# Altium PCB KAY1024_ATX.PcbDoc (part 3 of 4) (continued)
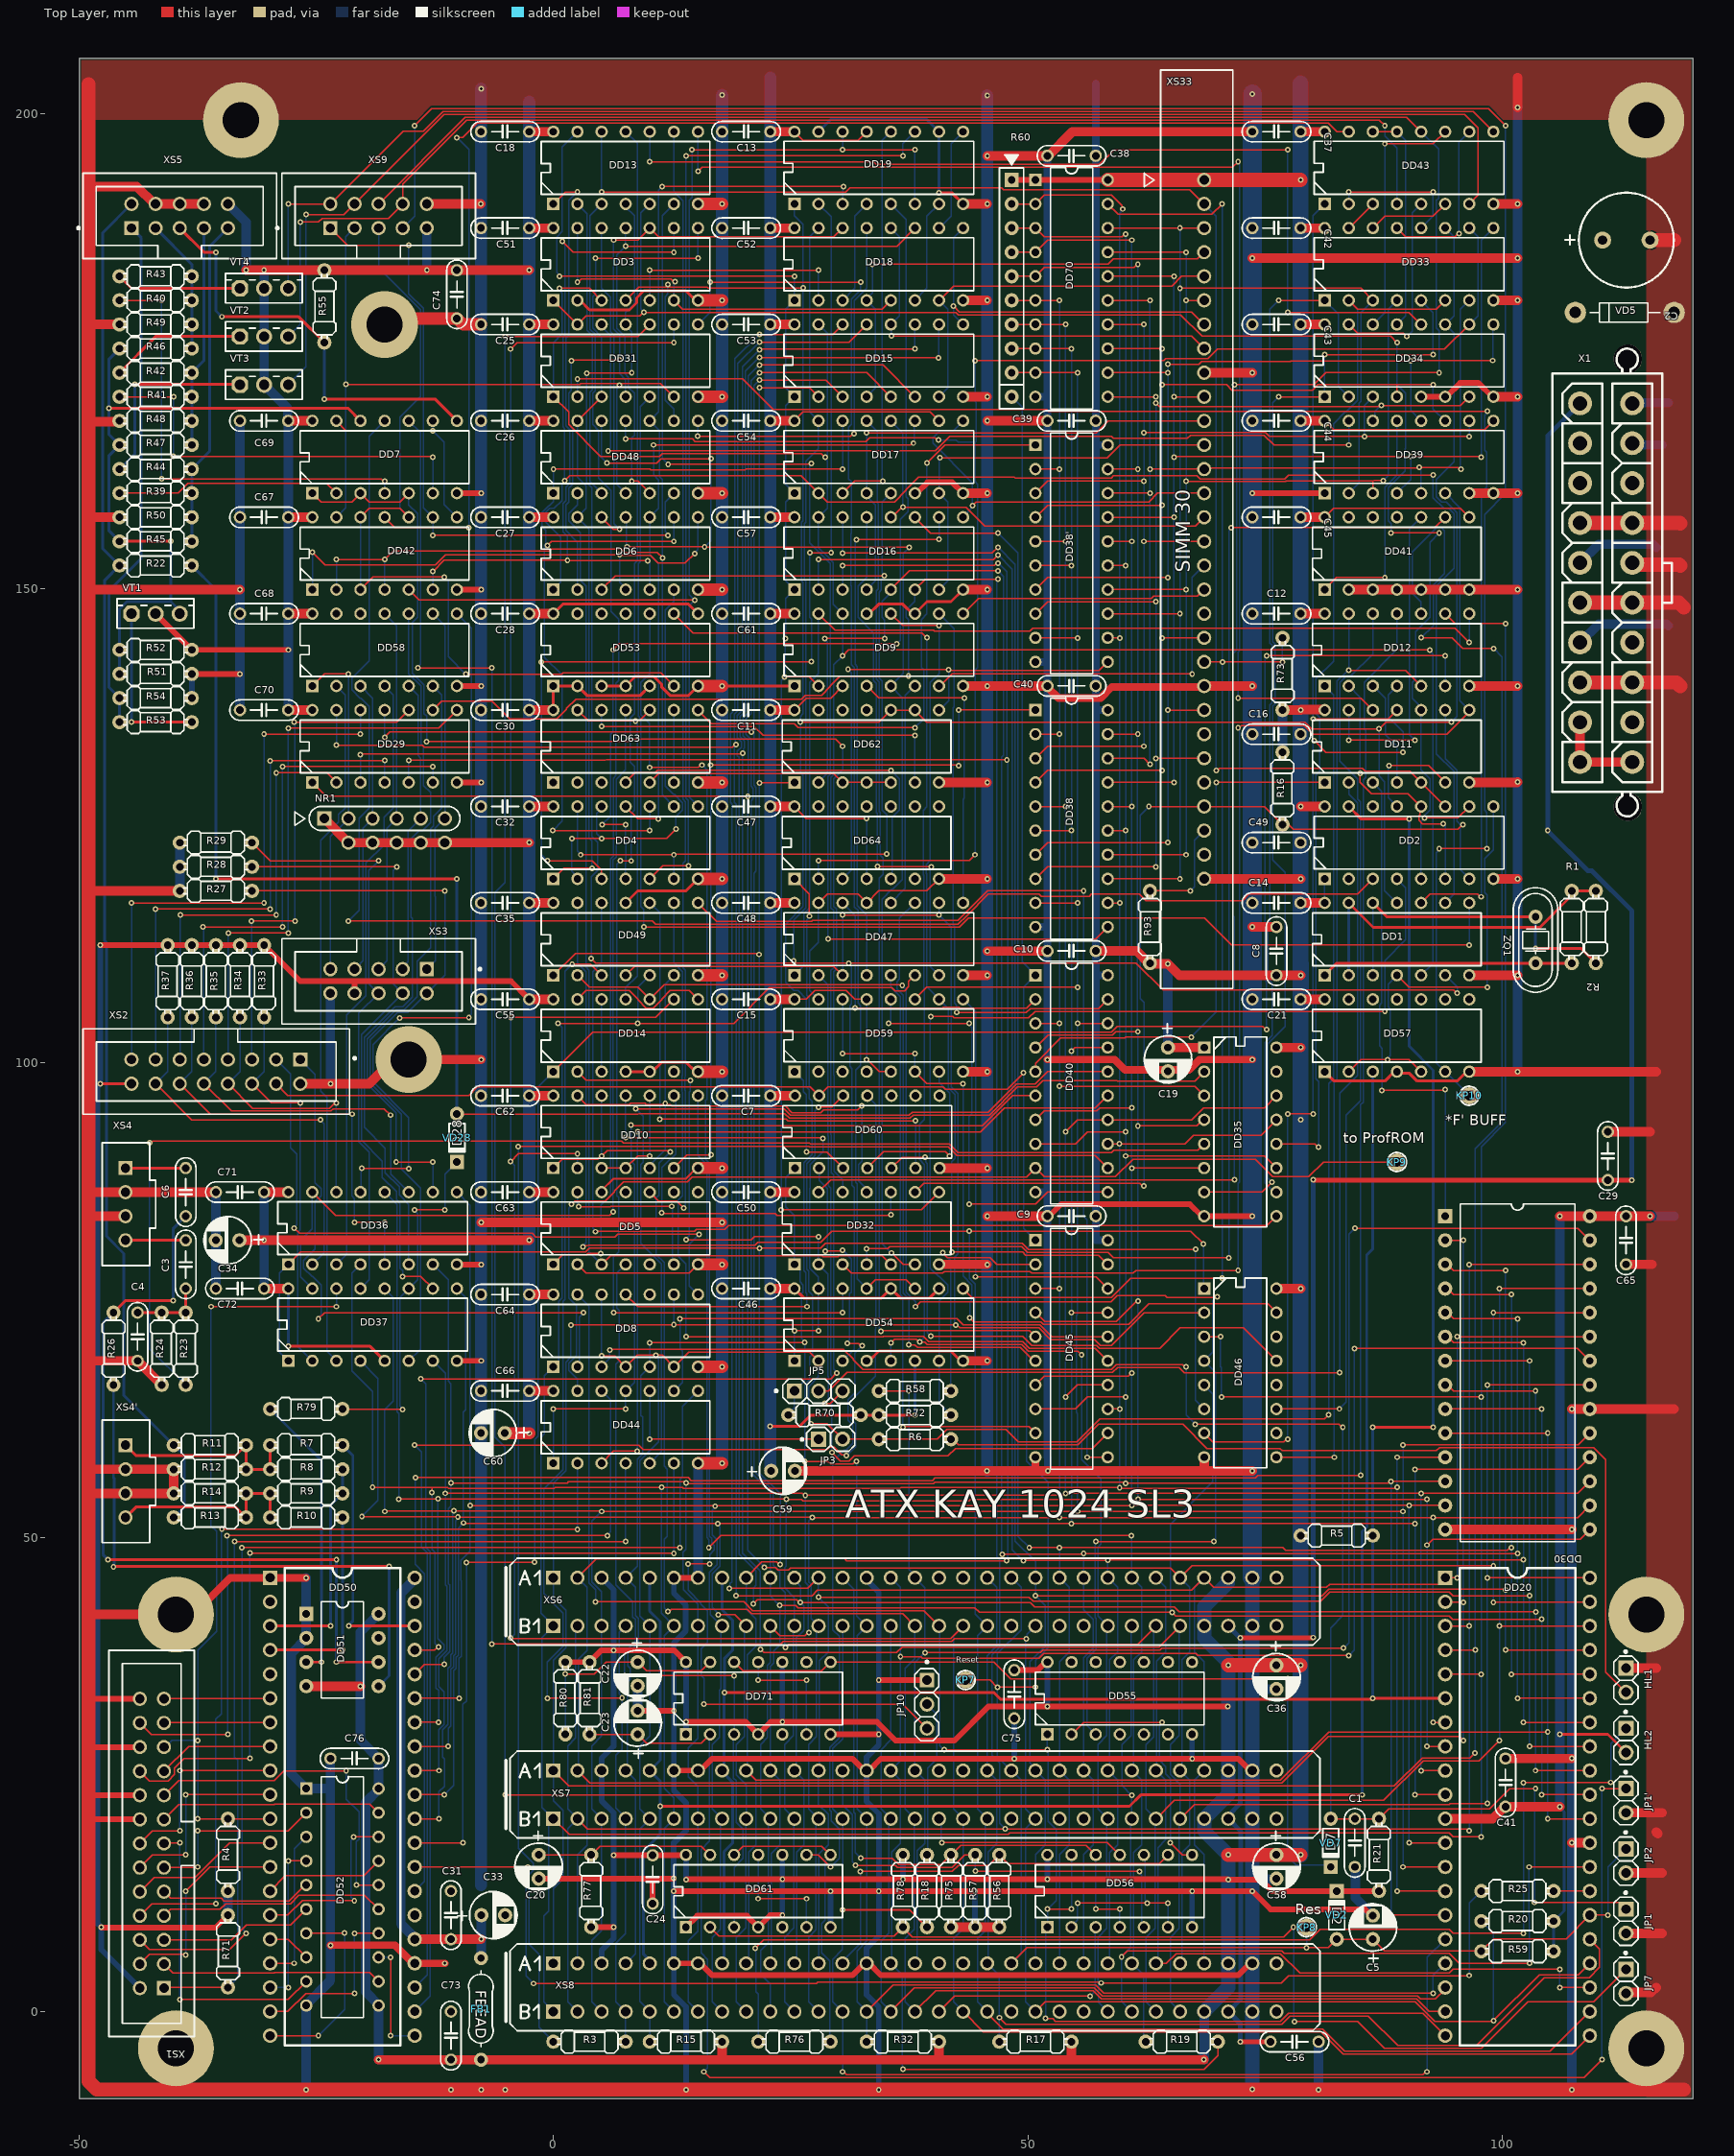
[diagram p0: Top Layer view]
## Nets (pads, with @x,y where several pads share a name; then routed paths per layer and width w, separated by ;. In a path a pad name is that pad's centre, name@x,y a point inside that pad or via, vN(x,y) a via of type N, cw(c..) or ccw(c..) an arc to the next point about the centre after c; other vN are vias at no path point) (continued)
  Bottom Layer w0.15: v1(2.54,182.245) DD3.13@2.54,187.96 ; DD3.6@12.7,180.34 12.7,182.067 12.808,182.175 v1(12.808,182.297)
H5: DD3.11 DD18.11 DD48.5 | length 61.6
  Top Layer w0.15: v1(7.62,186.055) 36.195,186.055 DD18.11@38.1,187.96 ; v1(8.255,161.29) 8.89,161.29 DD48.5@10.16,160.02
  Bottom Layer w0.15: DD3.11@7.62,187.96 v1(7.62,186.055) 6.695,185.13 6.695,177.392 7.542,176.546 7.542,172.62 7.92,172.242 7.92,171.188 8.545,170.563 8.545,166.132 8.255,165.842 v1(8.255,161.29)
H6: DD3.10 DD6.2 DD18.14 DD31.4 | length 72.8
  Top Layer w0.15: v1(1.905,173.99) 1.95,174.035 6.921,174.035 v1(6.967,174.08) ; v1(6.35,186.69) 8.89,186.69 DD3.10@10.16,187.96 11.085,187.035 29.555,187.035 DD18.14@30.48,187.96
  Bottom Layer w0.15: v1(1.905,173.99) 1.905,170.853 1.615,170.563 1.615,167.257 2.053,166.819 2.053,160.966 1.615,160.528 1.615,159.098 1.315,158.798 1.315,156.078 2.54,154.853 DD6.2@2.54,149.86 ; v1(6.35,186.69) 6.35,177.313 6.967,176.696 6.967,174.135 v1@6.912,174.08 ; v1(6.967,174.08) 6.967,172.622 7.62,171.969 DD31.4@7.62,170.18
H7: DD1.9 DD3.9 DD6.1 DD17.2 | length 196.6
  Top Layer w0.15: v1(0.928,186.583) 2.091,185.42 v1(12.7,185.42) ; v1(1.178,161.328) 1.715,161.865 26.095,161.865 DD17.2@27.94,160.02 28.865,159.095 35.943,159.095 37.175,160.327 37.175,160.403 38.467,161.695 48.605,161.695 48.665,161.635 58.803,161.635 59.033,161.865 67.825,161.865 68.155,161.535 77.058,161.535 77.448,161.925 v1(92.71,161.925)
  Bottom Layer w0.15: DD6.1@0,149.86 0.787,150.647 0.787,155.385 -0.925,157.097 -0.925,157.863 -0.383,158.405 0.074,158.405 0.925,159.256 0.925,160.953 1.178,161.206 v1(1.178,161.328) ; v1(0.928,186.583) 0.928,186.461 1.225,186.165 1.225,176.691 1.015,176.481 1.015,167.008 1.178,166.845 1.178,161.382 v1@1.232,161.328 ; v1(12.7,185.42) DD3.9@12.7,187.96 ; v1(92.71,161.925) 92.71,159.558 93.863,158.405 94.363,158.405 94.905,157.863 94.905,157.097 94.905,152.093 93.055,150.243 93.055,132.557 94.905,130.707 94.905,117.765 DD1.9@93.98,116.84
H7/: DD1.8 DD31.5 | length 149.6
  Top Layer w0.15: v1(9.525,114.335) 9.585,114.275 42.772,114.275 43.722,115.225 68.645,115.225 71.475,112.395 v1(96.52,112.395)
  Bottom Layer w0.15: v1(9.525,114.335) 9.525,116.167 9.235,116.457 9.235,136.245 8.935,136.545 8.935,152.594 9.145,152.804 9.145,169.165 DD31.5@10.16,170.18 ; v1(96.52,112.395) DD1.8@96.52,116.84
I0: DD50.13 XS1.4 | length 22
  Top Layer w0.15: XS1.4@-43.576,5.016 -42.551,6.041 -38.82,6.041 v1(-38.735,5.956) ; v1(-38.735,12.7) -36.195,15.24 DD50.13@-29.845,15.24
  Bottom Layer w0.15: v1(-38.735,5.956) v1(-38.735,12.7)
I1: DD50.12 XS1.10 | length 15.9
  Top Layer w0.15: XS1.10@-43.576,12.636 -42.061,14.151 -37.741,14.151 -34.112,17.78 DD50.12@-29.845,17.78
I3: DD50.10 XS1.12 | length 20.6
  Top Layer w0.15: XS1.12@-43.576,15.176 -42.242,16.51 v1(-38.735,16.51) ; v1(-38.735,22.86) DD50.10@-29.845,22.86
  Bottom Layer w0.15: v1(-38.735,16.51) v1(-38.735,22.86)
I4: DD50.9 XS1.14 | length 20.6
  Top Layer w0.15: XS1.14@-43.576,17.716 -42.242,19.05 v1(-39.37,19.05) ; v1(-39.37,25.4) DD50.9@-29.845,25.4
  Bottom Layer w0.15: v1(-39.37,19.05) v1(-39.37,25.4)
I5: DD50.8 XS1.19 | length 12.3
  Top Layer w0.15: XS1.19@-41.036,25.336 -38.432,27.94 DD50.8@-29.845,27.94
I6: DD50.7 XS1.23 | length 11.2
  Top Layer w0.15: XS1.23@-41.036,30.416 -41.004,30.448 -29.877,30.448 DD50.7@-29.845,30.48
I7: DD50.6 XS1.25 | length 11.2
  Top Layer w0.15: XS1.25@-41.036,32.956 -41.004,32.988 -29.877,32.988 DD50.6@-29.845,33.02
IORD1/: DD14.11 DD63.10 DD63.13 | length 38.5
  Top Layer w0.15: DD63.13@2.54,137.16 3.691,136.009 v1(8.658,136.009) 8.744,136.095 9.095,136.095 DD63.10@10.16,137.16
  Bottom Layer w0.15: DD14.11@7.62,106.68 7.62,107.912 8.845,109.137 8.845,135.7 8.658,135.887 v1(8.658,136.009)
IORD2/: DD36.15 DD37.15 DD63.11 | length 97.5
  Top Layer w0.15: DD36.15@-25.4,86.36 -22.961,83.921 5.912,83.921 6.276,84.285 v1(6.29,84.285)
  Bottom Layer w0.15: DD37.15@-25.4,76.2 -26.625,77.425 -26.625,81.28 -25.4,82.505 DD36.15@-25.4,86.36 ; v1(6.29,84.285) 6.305,84.3 6.305,121.345 6.617,121.657 6.617,129.845 7.62,130.848 DD63.11@7.62,137.16
IOWR1: DD35.9 DD49.12 | length 107.6
  Top Layer w0.15: v1(4.445,82.185) 4.485,82.225 14.863,82.225 15.098,82.46 18.08,82.46 18.444,82.824 75.204,82.824 DD35.9@76.2,83.82
  Bottom Layer w0.15: v1(4.445,82.185) 4.445,82.307 4.155,82.597 4.155,109.603 5.08,110.528 DD49.12@5.08,116.84
J5: DD37.6 R27.2 XS3.2 | length 76.4
  Top Layer w0.15: R27.2@-31.75,118.11 v1(-11.43,118.11)
  Bottom Layer w0.15: DD37.6@-15.24,68.58 -14.015,69.805 -14.015,86.803 -15.995,88.783 -15.995,94.558 -19.315,97.878 -19.315,102.407 -16.438,105.284 -15.366,105.284 XS3.2@-13.335,107.315 -11.43,109.22 v1(-11.43,118.11)
J6: DD37.10 R28.2 XS3.4 | length 66.3
  Top Layer w0.15: R28.2@-31.75,120.65 v1(-16.51,120.65) ; v1(-15.875,77.47) -13.97,77.47 DD37.10@-12.7,76.2
  Bottom Layer w0.15: v1(-16.51,120.65) -16.9,120.26 -16.9,108.34 XS3.4@-15.875,107.315 -20.215,102.975 -20.215,91.827 -18.015,89.627 -18.015,87.903 -16.544,86.432 -16.544,85.548 -16.165,85.169 -16.165,78.357 -15.875,78.067 v1(-15.875,77.47)
J7: DD37.13 R29.2 XS3.6 | length 61.8
  Top Layer w0.15: R29.2@-31.75,123.19 -29.845,121.285 v1(-18.415,121.285)
  Bottom Layer w0.15: DD37.13@-20.32,76.2 -19.395,77.125 -19.395,90.583 -20.515,91.703 -20.515,105.215 XS3.6@-18.415,107.315 -19.44,108.34 -19.44,120.26 v1(-18.415,121.285)
K: DD5.1 DD13.3 | length 118.8
  Top Layer w0.15: DD5.1@0,78.74 0.995,79.735 3.499,79.735 3.661,79.897 v1(5.009,79.897)
  Bottom Layer w0.15: v1(5.009,79.897) 5.02,79.908 5.02,84.992 6.005,85.977 6.005,121.469 6.317,121.781 6.317,129.97 6.59,130.242 6.59,139.978 6.865,140.253 6.865,146.767 6.092,147.54 6.092,160.317 4.78,161.628 4.78,166.632 4.155,167.257 4.155,170.563 4.39,170.798 4.39,176.757 3.855,177.293 3.855,189.275 DD13.3@5.08,190.5
K10: DD36.2 R37.1 XS2.14 | length 42.4
  Top Layer w0.15: XS2.14@-41.91,97.79 -38.1,93.98 v1(-24.52,93.98)
  Bottom Layer w0.15: XS2.14@-41.91,97.79 -40.64,99.06 R37.1@-40.64,104.775 ; DD36.2@-25.4,78.74 -24.175,79.965 -24.175,93.583 -24.52,93.928 v1(-24.52,93.98)
K29: DD36.5 R36.1 XS2.12 | length 46.1
  Top Layer w0.15: XS2.12@-39.37,97.79 -36.151,94.571 v1(-21.217,94.571) ; v1(-20.955,83.185) v1(-17.78,83.185)
  Bottom Layer w0.15: XS2.12@-39.37,97.79 -38.1,99.06 R36.1@-38.1,104.775 ; v1(-21.217,94.571) -21.245,94.544 -21.245,85.977 -20.955,85.687 v1(-20.955,83.185) ; DD36.5@-17.78,78.74 v1(-17.78,83.185)
K38: DD36.11 R35.1 XS2.10 | length 37.7
  Top Layer w0.15: XS2.10@-36.83,97.79 -33.939,94.899 -23.461,94.899 -23.214,95.146 -17.821,95.146 v1(-17.145,94.471)
  Bottom Layer w0.15: XS2.10@-36.83,97.79 -35.56,99.06 R35.1@-35.56,104.775 ; v1(-17.145,94.471) -17.145,88.265 DD36.11@-15.24,86.36
K47: DD36.14 R34.1 XS2.8 | length 29.6
  Top Layer w0.15: XS2.8@-34.29,97.79 -31.699,95.199 -26.908,95.199 -23.586,95.199 -23.011,95.774 v1(-22.889,95.774)
  Bottom Layer w0.15: XS2.8@-34.29,97.79 -33.02,99.06 R34.1@-33.02,104.775 ; v1(-22.889,95.774) -22.874,95.76 -22.874,86.374 DD36.14@-22.86,86.36
K56: DD37.2 R33.1 XS2.6 | length 41.4
  Top Layer w0.15: XS2.6@-31.75,97.79 -29.734,95.774 v1(-26.67,95.774)
  Bottom Layer w0.15: XS2.6@-31.75,97.79 -30.48,99.06 R33.1@-30.48,104.775 ; v1@-26.67,95.773 -26.67,82.372 -26.925,82.117 -26.925,70.105 DD37.2@-25.4,68.58
KBA11: DD29.12 XS2.15 | length 60.9
  Top Layer w0.15: v1(-44.45,116.84) v1(-30.48,116.84) ; v1(-30.48,134.62) v1(-20.347,134.62)
  Bottom Layer w0.15: XS2.15@-44.45,100.33 v1(-44.45,116.84) ; v1(-30.48,116.84) v1(-30.48,134.62) ; v1(-20.347,134.62) -20.334,134.634 -20.334,137.146 DD29.12@-20.32,137.16
KBA12: DD29.6 XS2.9 | length 56.8
  Top Layer w0.15: v1(-36.904,114.3) v1(-28.54,114.3) ; v1(-28.54,131.206) -28.537,131.21 -12.702,131.21 v1(-12.699,131.213)
  Bottom Layer w0.15: v1(-36.904,114.3) -36.867,114.263 -36.867,100.367 XS2.9@-36.83,100.33 ; v1(-28.54,114.3) v1(-28.54,131.206) ; DD29.6@-12.699,129.541 v1(-12.699,131.213)
KC/: DD42.3 DD42.10 DD42.12 DD53.6 XS9.5 | length 90.2
  Top Layer w0.15: DD42.3@-20.32,149.86 -18.992,151.188 v1(-11.489,151.188) ; DD42.12@-20.32,157.48 -19.395,158.405 -16.165,158.405 DD42.10@-15.24,157.48 ; v1(-9.227,140.937) 0.885,140.937 1.023,141.075 11.325,141.075 DD53.6@12.7,139.7
  Bottom Layer w0.15: DD42.3@-20.32,149.86 DD42.12@-20.32,157.48 ; XS9.5@-18.415,187.96 -18.415,183.774 -14.005,179.364 -14.005,170.183 -16.165,168.023 -16.165,158.405 DD42.10@-15.24,157.48 ; v1(-11.489,151.188) -11.085,150.785 -11.085,142.795 v1(-9.227,140.937)
L: DD36.6 DD58.10 | length 75.2
  Bottom Layer w0.15: DD36.6@-15.24,78.74 -15.24,85.052 -16.244,86.055 -16.244,86.939 -17.715,88.411 -17.715,90.991 -19.915,93.191 -19.915,102.655 -16.687,105.884 -15.857,105.884 -14.85,106.89 -14.85,115.18 -14.995,115.325 -14.995,123.615 -14.15,124.46 -13.79,124.46 -12.945,125.305 -12.945,128.477 -13.67,129.202 -13.67,133.342 -13.937,133.609 -13.937,139.705 -15.24,141.008 DD58.10@-15.24,147.32
LCLK: DD5.4 DD61.3 DD71.3 | length 84.1
  Top Layer w0.15: v1(7.512,35.386) 7.517,35.391 19.045,35.391 v1(19.05,35.396)
  Bottom Layer w0.15: v1(7.512,35.386) 7.512,37.863 8.645,38.997 8.645,41.307 8.345,41.607 8.345,43.197 6.595,44.947 6.595,68.228 6.925,68.558 6.925,73.898 6.695,74.128 6.695,77.815 DD5.4@7.62,78.74 ; DD61.3@19.05,8.89 19.05,15.202 19.975,16.127 19.975,19.215 19.255,19.935 19.255,24.349 18.995,24.609 18.995,29.155 DD71.3@19.05,29.21 v1(19.05,35.396)
LEFT: R9.1 R10.1 R13.2 R14.2 XS4'.4 | length 21.2
  Top Layer w0.3: XS4'.4@-45.085,52.07 -43.985,53.17 -33.485,53.17 R13.2@-32.385,52.07 R14.2@-32.385,54.61 R9.1@-29.845,54.61 R10.1@-29.845,52.07
MA0: DD15.4 DD18.4 XS33.4 | length 50.5
  Top Layer w0.15: v1(33.62,184.15) 58.458,184.15 59.033,184.725 67.885,184.725 XS33.4@68.58,185.42
  Bottom Layer w0.15: DD15.4@33.02,170.18 33.945,171.105 33.945,179.415 DD18.4@33.02,180.34 33.02,180.55 33.62,181.15 v1(33.62,184.15)
MA1: DD15.7 DD18.7 XS33.5 | length 39.9
  Top Layer w0.15: DD18.7@40.64,180.34 42.155,181.855 65.193,181.855 66.218,182.88 XS33.5@68.58,182.88
  Bottom Layer w0.15: DD15.7@40.64,170.18 41.565,171.105 41.565,179.415 DD18.7@40.64,180.34
MA2: DD15.9 DD18.9 XS33.7 | length 38.2
  Top Layer w0.15: v1(42.172,179.747) 42.798,179.121 67.259,179.121 XS33.7@68.58,177.8
  Bottom Layer w0.15: DD15.9@43.18,177.8 42.172,178.808 v1(42.172,179.747) 42.172,186.952 DD18.9@43.18,187.96
MA3: DD15.12 DD18.12 XS33.8 | length 45.7
  Top Layer w0.15: v1(35.611,176.599) 67.241,176.599 XS33.8@68.58,175.26
  Bottom Layer w0.15: DD18.12@35.56,187.96 36.485,187.035 36.485,178.725 DD15.12@35.56,177.8 35.585,177.775 35.585,176.624 v1(35.611,176.599)
MA4: DD16.4 DD17.4 XS33.11 | length 53.4
  Top Layer w0.15: v1(33.02,166.37) 57.185,166.37 58.455,167.64 XS33.11@68.58,167.64
  Bottom Layer w0.15: DD16.4@33.02,149.86 33.945,150.785 33.945,157.097 33.945,158.784 33.02,159.709 DD17.4@33.02,160.02 v1(33.02,166.37)
MA5: DD16.7 DD17.7 XS33.12 | length 43.1
  Top Layer w0.15: v1(40.729,163.741) 58.369,163.741 59.728,165.1 XS33.12@68.58,165.1
  Bottom Layer w0.15: DD16.7@40.64,149.86 41.565,150.785 41.565,159.095 DD17.7@40.64,160.02 40.685,160.065 40.685,163.696 v1(40.729,163.741)
MA6: DD16.9 DD17.9 XS33.14 | length 39.4
  Top Layer w0.15: v1(44.156,158.696) 44.555,159.095 62.753,159.095 63.678,160.02 XS33.14@68.58,160.02
  Bottom Layer w0.15: DD16.9@43.18,157.48 43.18,157.529 44.07,158.419 44.07,158.61 v1(44.156,158.696) ; DD17.9@43.18,167.64 42.183,166.643 40.768,166.643 39.991,165.866 39.991,165.292 44.156,161.127 44.156,158.782 v1@44.199,158.739
MA7: DD16.12 DD17.12 XS33.15 | length 44.3
  Top Layer w0.15: DD16.12@35.56,157.48 35.663,157.48 36.72,158.537 v1(36.823,158.537) ; v1@36.83,158.53 36.837,158.537 43.502,158.537 45.484,156.555 67.655,156.555 XS33.15@68.58,157.48
  Bottom Layer w0.15: DD17.12@35.56,167.64 36.823,166.377 v1(36.823,158.537)
MA8: DD9.7 XS33.17 | length 39.2
  Top Layer w0.15: DD9.7@40.64,139.7 40.756,139.7 42.026,140.97 v1(67.31,140.97)
  Bottom Layer w0.15: v1(67.31,140.97) 67.31,151.13 XS33.17@68.58,152.4
MA9: DD9.9 XS33.18 | length 26.5
  Top Layer w0.15: DD9.9@43.18,147.32 44.795,148.935 63.032,148.935 63.262,149.165 67.885,149.165 XS33.18@68.58,149.86
MD0: DD33.3 DD38'.13 DD38.13 DD39.2 DD70.18 XS33.3 | length 136.2
  Top Layer w0.15: DD38.13@58.42,119.38 v1(66.04,119.38) ; DD38'.13@58.42,147.32 v1(66.04,147.32) ; DD70.18@58.42,187.96 v1(66.04,187.96) XS33.3@68.58,187.96 ; v1(66.04,181.61) 85.09,181.61 DD33.3@86.36,180.34
  Bottom Layer w0.15: v1(66.04,119.38) v1(66.04,147.32) v1(66.04,181.61) v1(66.04,187.96) ; DD39.2@83.82,160.02 84.895,161.095 84.895,169.523 85.09,169.718 85.09,179.07 DD33.3@86.36,180.34
MD1: DD33.4 DD38'.14 DD38.14 DD39.3 DD70.17 XS33.6 | length 131.9
  Top Layer w0.15: DD38.14@58.42,121.92 v1(66.675,121.92) ; DD38'.14@58.42,149.86 v1(66.675,149.86) ; DD70.17@58.42,185.42 v1(66.675,185.42) ; v1(66.675,161.29) 66.73,161.235 77.183,161.235 77.238,161.29 86.36,161.29 ; v1(66.675,180.34) XS33.6@68.58,180.34 ; DD39.3@86.36,160.02 86.36,161.29 ; v1(87.45,161.325) 87.398,161.378 86.448,161.378 86.36,161.29
  Bottom Layer w0.15: v1(66.675,121.92) v1(66.675,149.86) v1(66.675,161.29) v1(66.675,180.34) v1(66.675,185.42) ; v1(87.45,161.325) 87.975,161.85 87.975,179.415 DD33.4@88.9,180.34
MD2: DD33.9 DD38'.17 DD38.17 DD39.4 DD70.16 XS33.10 | length 139.1
  Top Layer w0.15: DD38.17@58.42,129.54 v1(65.405,129.54) ; DD38'.17@58.42,157.48 v1(65.405,157.48) ; DD70.16@58.42,182.88 v1(65.405,182.88) ; v1(65.405,163.83) 65.451,163.876 90.304,163.876 v1(90.35,163.921) 90.396,163.876 97.744,163.876 v1(97.79,163.83) ; v1(65.405,170.18) XS33.10@68.58,170.18
  Bottom Layer w0.15: v1(65.405,129.54) v1(65.405,157.48) v1(65.405,163.83) v1(65.405,170.18) v1(65.405,182.88) ; DD39.4@88.9,160.02 90.35,161.47 v1(90.35,163.921) ; v1(97.79,163.83) 97.79,186.69 DD33.9@99.06,187.96
MD3: DD33.7 DD38'.18 DD38.18 DD39.5 DD70.15 XS33.13 | length 116.6
  Top Layer w0.15: DD38.18@58.42,132.08 62.23,132.08 v1(62.865,131.445) ; DD38'.18@58.42,160.02 v1(62.865,160.02) ; DD70.15@58.42,180.34 v1(62.865,180.34) ; v1(62.865,162.56) XS33.13@68.58,162.56 68.672,162.652 91.17,162.652 91.199,162.652 v1@91.262,162.59 ; v1@91.262,162.56 v1@91.262,162.59 ; v1(91.262,162.738) v1@91.262,162.59 ; v1(95.63,162.56) 95.508,162.56 95.33,162.738 91.47,162.738 91.292,162.56 v1@91.262,162.59
  Bottom Layer w0.15: v1(62.865,131.445) v1(62.865,160.02) v1(62.865,162.56) v1(62.865,180.34) ; v1(91.262,162.738) 91.262,162.616 91.44,162.438 DD39.5@91.44,160.02 ; v1(95.63,162.56) 95.595,162.595 95.595,179.415 DD33.7@96.52,180.34
MD4: DD34.3 DD38'.3 DD38.3 DD39.10 DD70.14 XS33.16 | length 119.3
  Top Layer w0.15: DD38.3@50.8,132.08 52.07,133.35 v1(62.23,133.35) ; DD38'.3@50.8,160.02 52.07,161.29 v1(62.23,161.29) ; DD70.14@58.42,177.8 v1(62.23,177.8) ; v1(62.23,154.94) XS33.16@68.58,154.94 ; v1(62.23,166.37) 62.285,166.425 75.03,166.425 75.464,165.99 v1(85.47,165.99) v1(96.52,165.99)
  Bottom Layer w0.15: v1(62.23,133.35) v1(62.23,154.94) v1(62.23,161.29) v1(62.23,166.37) v1(62.23,177.8) ; v1(85.47,165.99) 85.435,166.025 85.435,169.255 DD34.3@86.36,170.18 ; v1(96.52,165.99) DD39.10@96.52,167.64
MD5: DD34.4 DD38'.4 DD38.4 DD39.11 DD70.13 XS33.20 | length 117
  Top Layer w0.15: DD38.4@50.8,129.54 52.07,130.81 v1(64.135,130.81) ; DD38'.4@50.8,157.48 52.07,158.75 v1(64.135,158.75) ; DD70.13@58.42,175.26 v1(64.135,175.26) ; v1(64.135,144.746) 64.152,144.763 68.563,144.763 XS33.20@68.58,144.78 ; v1(64.135,171.45) 70.947,171.45 71.522,170.875 79.983,170.875 80.558,171.45 88.9,171.45 ; DD34.4@88.9,170.18 88.9,171.45 ; v1(92.71,171.45) 88.9,171.45
  Bottom Layer w0.15: v1(64.135,130.81) v1(64.135,144.746) v1(64.135,158.75) v1(64.135,171.45) v1(64.135,175.26) ; v1(92.71,171.45) 92.71,168.91 DD39.11@93.98,167.64
MD6: DD34.9 DD38'.7 DD38.7 DD39.12 DD70.12 XS33.23 | length 134.6
  Top Layer w0.15: DD38.7@50.8,121.92 52.07,123.19 v1(64.77,123.19) ; DD38'.7@50.8,149.86 52.07,151.13 v1(64.77,151.13) ; DD70.12@58.42,172.72 v1(64.77,172.72) ; v1(64.77,137.16) XS33.23@68.58,137.16 ; v1(64.77,173.61) 68.02,173.61 68.295,173.885 77.651,173.885 77.738,173.973 v1(90.344,173.973) 90.358,173.987 98.982,173.987 v1(98.996,174)
  Bottom Layer w0.15: v1(64.77,123.19) v1(64.77,137.16) v1(64.77,151.13) v1(64.77,172.72) v1(64.77,173.61) ; v1@90.354,173.963 90.344,173.954 90.344,168.736 DD39.12@91.44,167.64 ; v1(98.996,174) 99.028,174.032 99.028,177.768 DD34.9@99.06,177.8
MD7: DD34.7 DD38'.8 DD38.8 DD39.14 DD70.11 XS33.25 | length 122
  Top Layer w0.15: DD38.8@50.8,119.38 52.07,120.65 v1(63.5,120.65) ; DD38'.8@50.8,147.32 52.07,148.59 v1(63.5,148.59) ; DD70.11@58.42,170.18 v1(63.5,170.18) ; v1(63.5,132.08) XS33.25@68.58,132.08 ; v1(63.5,169.51) 63.532,169.51 63.887,169.155 86.981,169.155 87.03,169.204 87.124,169.204 v1@87.238,169.09 ; v1(87.238,169.29) v1@87.238,169.09 ; DD34.7@96.52,170.18 95.595,169.255 87.403,169.255 v1@87.238,169.09
  Bottom Layer w0.15: v1(63.5,120.65) v1(63.5,132.08) v1(63.5,148.59) v1(63.5,169.51) v1(63.5,170.18) ; DD39.14@86.36,167.64 86.58,167.86 86.58,168.632 v1(87.238,169.29)
MXSEL: DD10.11 DD54.1 DD54.15 | length 52.2
  Top Layer w0.15: v1(7.62,92.125) 7.675,92.07 28.362,92.07 v1(28.417,92.015) ; v1(25.4,71.755) v1(27.94,71.755)
  Bottom Layer w0.15: v1(7.62,92.125) DD10.11@7.62,96.52 ; DD54.1@25.4,68.58 v1(25.4,71.755) ; v1(27.94,71.755) DD54.15@27.94,76.2 27.94,77.432 27.015,78.357 27.015,86.743 27.079,86.807 27.079,89.283 28.417,90.621 v1(28.417,92.015)
NetC1_1: C1.1 DD8.3 JP1.1 R21.2 VD7.1 | length 172.9
  Top Layer w0.15: v1(5.951,69.74) 6.016,69.805 30.563,69.805 31.6,68.768 31.6,68.692 32.637,67.655 58.803,67.655 59.333,68.185 66.313,68.185 66.553,67.945 v1(66.675,67.945) ; v1(67.655,61.885) 82.773,61.885 83.063,61.595 v1(83.185,61.595) ; VD7.1@81.915,20.32 C1.1@84.455,20.32 R21.2@86.995,20.32 88.032,21.357 98.663,21.357 100.801,23.495 v1(103.505,23.495) ; v1(103.4,11.496) 112.329,11.496 JP1.1@113.03,10.795
  Bottom Layer w0.15: DD8.3@5.08,67.945 5.951,68.816 v1(5.951,69.74) ; v1(66.675,67.945) 66.675,62.865 v1(67.655,61.885) ; VD7.1@81.915,20.32 81.915,40.444 83.185,41.714 v1(83.185,61.595) ; v1(103.4,11.496) 103.4,23.269 103.505,23.373 v1(103.505,23.495)
NetC3_2: C3.2 C4.1 R23.1 R24.1 | length 7.6
  Top Layer w0.3: C4.1@-43.815,73.66 -43.813,73.662 -41.277,73.662 R24.1@-41.275,73.663 R23.1@-38.742,73.663 -38.74,73.665 C3.2@-38.738,76.2 C3.2@-38.738,76.2
NetC6_1: C6.1 XS4.1 | length 6.3
  Top Layer w0.3: XS4.1@-45.085,88.9 C6.1@-38.735,88.9
NetC6_2: C6.2 DD51.6 R26.1 | length 82.3
  Top Layer w0.3: v1(-46.926,47.625) v1(-22.845,47.625) ; R26.1@-46.355,73.663 -45.088,74.93 v1(-40.071,74.93) ; v1(-22.86,36.83) DD51.6@-18.415,36.83
  Bottom Layer w0.3: v1(-46.926,47.625) -46.926,47.628 -47.455,48.157 -47.455,72.563 R26.1@-46.355,73.663 ; v1(-40.071,74.93) -40.071,82.484 C6.2@-38.735,83.82 ; v1(-22.86,36.83) -22.86,40.356 -22.845,40.371 v1(-22.845,47.625)
NetC20_1: C20.1 DD61.13 R77.2 | length 18.8
  Top Layer w0.15: C20.1@-1.543,16.51 R77.2@3.992,16.51 4.917,17.435 15.585,17.435 DD61.13@16.51,16.51
NetC22_1: C22.1 DD71.13 R80.1 | length 22.9
  Top Layer w0.15: v1(1.27,35.58) 4.327,35.58 5.577,36.83 C22.1@8.877,36.83 9.802,35.905 15.585,35.905 DD71.13@16.51,36.83
  Bottom Layer w0.15: R80.1@1.27,29.21 v1(1.27,35.58)
NetC23_1: C23.1 DD71.2 JP1'.1 R81.1 | length 176.6
  Top Layer w0.15: R81.1@3.81,29.21 C23.1@8.89,29.21 9.815,28.285 15.585,28.285 DD71.2@16.51,29.21 ; v1(15.875,-6.35) 16.48,-6.955 108.615,-6.955 v1(110.49,-5.08) ; v1(110.49,23.495) JP1'.1@113.03,23.495
  Bottom Layer w0.15: v1(15.875,-6.35) 16.265,-5.96 16.265,5.505 15.585,6.185 15.585,17.079 16.455,17.949 16.455,29.155 DD71.2@16.51,29.21 ; v1(110.49,-5.08) v1(110.49,23.495)
NetDD1_1: DD1.1 R1.1 ZQ1.1 | length 26.6
  Top Layer w0.3: DD1.1@81.28,109.22 82.55,110.49 ZQ1.1@103.505,110.49 R1.1@107.315,110.49
NetDD1_2: DD1.2 DD1.13 R1.2 R2.1 | length 36.6
  Top Layer w0.3: DD1.13@83.82,116.84 86.39,114.27 103.961,114.27 107.085,117.395 107.085,117.88 R1.2@107.315,118.11 R2.1@109.855,118.11
  Bottom Layer w0.3: DD1.2@83.82,109.22 DD1.13@83.82,116.84
NetDD1_3: DD1.3 DD1.12 R2.2 ZQ1.2 | length 35.7
  Top Layer w0.3: DD1.12@86.36,116.84 87.83,115.37 ZQ1.2@103.505,115.37 ; v1(103.507,112.03) 108.315,112.03 R2.2@109.855,110.49
  Bottom Layer w0.15: DD1.3@86.36,109.22 DD1.12@86.36,116.84
  Bottom Layer w0.3: ZQ1.2@103.505,115.37 103.506,115.369 103.506,112.031 v1(103.507,112.03)
NetDD1_4: DD1.4 DD2.9 DD57.2 DD57.5 | length 47.8
  Top Layer w0.15: DD57.2@83.82,99.06 85.086,100.326 v1(87.891,100.326) 90.174,100.326 DD57.5@91.44,99.06 ; DD1.4@88.9,109.22 90.17,107.95 v1(98.425,107.95)
  Bottom Layer w0.15: v1(87.891,100.326) 87.891,100.44 88.205,100.754 88.205,105.648 87.975,105.878 87.975,108.295 DD1.4@88.9,109.22 ; v1(98.425,107.95) 98.425,117.653 98.135,117.943 98.135,121.509 99.06,122.434 DD2.9@99.06,127
NetDD1_10: DD1.10 DD31.2 | length 157.7
  Top Layer w0.15: v1(2.54,172.066) 19.955,172.066 23.156,168.865 51.974,168.865 52.174,168.665 98.414,168.665 v1(98.43,168.649) ; DD1.10@91.44,116.84 92.365,117.765 97.378,117.765 97.668,117.475 v1(97.79,117.475)
  Bottom Layer w0.15: DD31.2@2.54,170.18 v1(2.54,172.066) ; v1(97.79,117.475) 97.79,160.058 98.365,160.633 98.365,164.318 98.135,164.548 98.135,168.232 98.43,168.527 v1(98.43,168.649)
NetDD2_3: DD2.3 DD7.11 | length 166.7
  Top Layer w0.15: v1(-21.59,114.935) 10.44,114.935 10.8,114.575 42.647,114.575 43.597,115.525 45.837,117.765 51.183,117.765 51.413,117.535 56.472,117.535 56.702,117.765 61.76,117.765 62.44,117.085 72.597,117.085 73.277,117.765 84.745,117.765 DD2.3@86.36,119.38
  Bottom Layer w0.15: v1(-21.59,114.935) -20.449,116.076 -20.449,125.78 -19.395,126.835 -19.395,137.543 -20.282,138.43 -20.358,138.43 -21.245,139.317 -21.245,140.504 -19.395,142.354 -19.395,166.025 DD7.11@-17.78,167.64
NetDD2_6: DD2.6 DD2.12 DD12.2 | length 28.2
  Top Layer w0.15: v1(85.01,130.471) 85.01,129.582 86.234,128.358 90.082,128.358 DD2.12@91.44,127 91.311,126.871 91.311,126.125 91.215,126.029 91.215,125.553 91.596,125.172 v1(93.773,125.172)
  Bottom Layer w0.15: DD12.2@83.82,139.7 85.01,138.51 v1(85.01,130.471) ; v1(93.773,125.172) 93.773,125.05 93.98,124.843 DD2.6@93.98,119.38
NetDD2_13: DD2.13 DD11.6 | length 11.4
  Top Layer w0.15: v1(88.065,131.305) 92.215,131.305 DD11.6@93.98,129.54
  Bottom Layer w0.15: v1(88.065,131.305) 88.065,131.183 87.975,131.093 87.975,127.925 DD2.13@88.9,127
NetDD5_6: DD5.6 DD5.13 | length 17.6
  Top Layer w0.15: v1(2.657,84.818) 6.009,84.818 6.052,84.86 v1(12.46,84.86)
  Bottom Layer w0.15: DD5.13@2.54,86.36 2.54,85.057 2.657,84.939 v1(2.657,84.818) ; v1(12.46,84.86) 12.546,84.774 12.546,78.894 DD5.6@12.7,78.74
NetDD6_4: DD6.4 DD6.8 DD42.1 | length 54.6
  Top Layer w0.15: v1(-25.39,153.781) -24.069,152.46 -12.429,152.46 -11.348,153.542 6.785,153.542 v1@6.988,153.338 ; v1(6.988,153.542) 6.988,153.35 7,153.338 7.148,153.486 10.2,153.486 11.047,152.639 13.89,152.639 v1(14.918,153.667)
  Bottom Layer w0.15: DD42.1@-25.39,149.534 v1(-25.39,153.781) ; v1(6.988,153.542) 6.988,150.638 7.62,150.006 DD6.4@7.62,149.86 ; v1(14.918,153.667) 14.918,153.766 15.24,154.088 DD6.8@15.24,157.48
NetDD6_5: DD6.5 DD13.1 DD42.6 | length 71.3
  Top Layer w0.15: v1(-12.7,151.765) -11.517,152.948 v1(1.48,152.948) 1.498,152.93 9.943,152.93 v1(9.962,152.911) ; DD13.1@0,190.5 1.27,191.77 v1(2.54,191.77)
  Bottom Layer w0.15: DD42.6@-12.7,149.86 v1(-12.7,151.765) ; v1(1.48,152.948) 1.48,155.489 1.015,155.953 1.015,158.922 1.315,159.222 1.315,160.652 1.753,161.09 1.753,166.694 1.315,167.133 1.315,176.357 1.615,176.657 1.615,190.883 2.502,191.77 v1(2.54,191.77) ; v1(9.962,152.911) 9.962,152.789 10.16,152.591 DD6.5@10.16,149.86
NetDD6_11: DD6.11 DD9.5 DD32.6 DD48.12 | length 138.3
  Top Layer w0.15: v1(5.655,163.195) 10.895,163.195 11.341,163.641 v1(16.599,163.641) ; v1(7.775,154.381) 7.794,154.362 15.92,154.362 v1(15.939,154.343) ; v1@15.948,154.324 37.493,154.324 v1(37.512,154.305) ; v1(35.62,79.958) 35.65,79.958 36.868,78.74 DD32.6@38.1,78.74
  Bottom Layer w0.15: DD48.12@5.08,167.64 5.08,163.77 v1(5.655,163.195) ; DD6.11@7.62,157.48 7.698,157.402 7.698,154.459 v1(7.775,154.381) ; v1(15.939,154.343) 16.599,155.003 v1(16.599,163.641) ; v1(35.62,79.958) 34.635,80.943 34.635,117.223 35.672,118.26 35.748,118.26 36.785,119.297 36.785,138.475 DD9.5@35.56,139.7 36.875,141.015 36.875,153.668 v1(37.512,154.305)
NetDD7_1: DD7.1 DD7.3 DD7.5 DD32.12 | length 131.3
  Top Layer w0.15: DD7.1@-25.4,160.02 -24.475,159.095 -21.245,159.095 DD7.3@-20.32,160.02 -19.395,159.095 -16.165,159.095 DD7.5@-15.24,160.02 ; v1(-13.362,133.847) 8.072,133.847 8.31,134.085 29.745,134.085 v1(30.48,133.35)
  Bottom Layer w0.15: DD7.5@-15.24,160.02 -15.24,158.788 -14.315,157.863 -14.315,146.937 -14.857,146.395 -14.857,141.049 -13.625,139.817 -13.625,136.777 -13.362,136.514 v1(-13.362,133.847) ; DD32.12@30.48,86.36 30.48,87.656 29.592,88.544 29.592,98.64 29.555,98.677 29.555,109.603 29.826,109.874 29.826,116.186 29.555,116.457 29.555,129.923 30.48,130.848 v1(30.48,133.35)
NetDD7_2: DD7.2 R39.1 | length 23.7
  Top Layer w0.15: R39.1@-45.72,160.02 -39.55,160.02 -38.525,161.045 -23.885,161.045 DD7.2@-22.86,160.02
NetDD7_4: DD7.4 R40.1 | length 48.1
  Top Layer w0.15: R40.1@-45.72,180.34 v1(-41.275,180.34) ; v1(-41.275,161.556) -41.254,161.535 -18.147,161.535 -17.902,161.29 v1(-17.78,161.29)
  Bottom Layer w0.15: v1(-41.275,161.556) v1(-41.275,180.34) ; DD7.4@-17.78,160.02 v1(-17.78,161.29)
NetDD7_6: DD7.6 R41.1 | length 43.2
  Top Layer w0.15: R41.1@-45.72,170.18 v1(-40.005,170.18) ; v1(-40.04,163.904) -40.003,163.867 -12.737,163.867 v1(-12.7,163.83)
  Bottom Layer w0.15: v1(-40.04,163.904) -40.023,163.921 -40.023,170.162 v1(-40.005,170.18) ; DD7.6@-12.7,160.02 v1(-12.7,163.83)
NetDD7_9: DD7.9 DD7.13 DD42.8 | length 21.8
  Top Layer w0.15: DD7.13@-22.86,167.64 -21.808,166.588 v1(-12.7,166.588)
  Bottom Layer w0.15: DD7.9@-12.7,167.64 v1(-12.7,166.588) -11.497,165.385 -11.497,158.817 DD42.8@-10.16,157.48
NetDD7_12: DD7.12 R45.1 R46.1 R47.1 R51.2 R52.2 VT1.B | length 75.2
  Top Layer w0.3: v1(-46.82,168.984) -21.664,168.984 DD7.12@-20.32,167.64 ; R45.1@-45.72,154.94 -45.718,154.942 -40.312,154.942 v1(-40.31,154.944)
  Bottom Layer w0.3: R51.2@-45.72,140.97 R52.2@-45.72,143.51 -45.72,147.82 -44.942,148.598 -40.31,148.598 ; R45.1@-45.72,154.94 -46.82,156.04 -46.82,164 R47.1@-45.72,165.1 -46.82,166.2 v1(-46.82,168.984) -46.82,174.16 R46.1@-45.72,175.26 ; v1(-40.31,154.944) -40.31,148.598 ; VT1.B@-39.37,147.32 -39.37,147.658 -40.31,148.598
NetDD8_2: DD8.2 XS2.1 | length 64.1
  Top Layer w0.15: v1(-24.765,73.025) -24.13,73.66 v1(3.175,73.66)
  Bottom Layer w0.15: XS2.1@-26.67,100.33 -25.095,98.755 -25.095,87.363 -24.475,86.743 -24.475,85.977 -25.1,85.352 -25.1,80.348 -26.325,79.123 -26.325,78.357 -25.438,77.47 -25.362,77.47 -24.475,76.583 -24.475,73.437 -24.765,73.147 v1(-24.765,73.025) ; DD8.2@2.54,67.945 2.72,68.125 2.72,73.205 v1(3.175,73.66)
NetDD8_8: DD8.8 XS2.3 | length 69.1
  Top Layer w0.15: v1(-27.305,82.55) -26.76,82.005 -2.236,82.005 -1.841,81.61 6.486,81.61 6.801,81.925 15.296,81.925 v1(15.336,81.885)
  Bottom Layer w0.15: XS2.3@-29.21,100.33 -27.695,98.815 -27.695,91.046 -27.015,90.366 -27.015,82.962 -27.305,82.672 v1(-27.305,82.55) ; DD8.8@15.24,75.565 14.315,76.49 14.315,80.864 v1(15.336,81.885)
NetDD9_4: DD9.4 DD47.9 | length 32.5
  Top Layer w0.15: DD9.4@33.02,139.7 34.271,138.449 v1(43.31,138.449)
  Bottom Layer w0.15: DD47.9@43.18,116.84 43.18,127.747 43.31,127.877 v1(43.31,138.449)
NetDD9_6: DD9.6 DD47.12 | length 23.9
  Bottom Layer w0.15: DD47.12@35.56,116.84 37.085,118.365 37.085,138.685 DD9.6@38.1,139.7